# Altium PCB Brake Module R6.PcbDoc (part 2 of 2)
Units mm, origin at the board's own origin, x right, y up, seen from the top; angles counter-clockwise.
Board outline 73.35 x 121.64 mm, 4 copper layers (Top Layer, GND, PWR, Bottom Layer), stack 0.603 mm thick; 136 components, 96 nets, 515 pads, 328 vias.
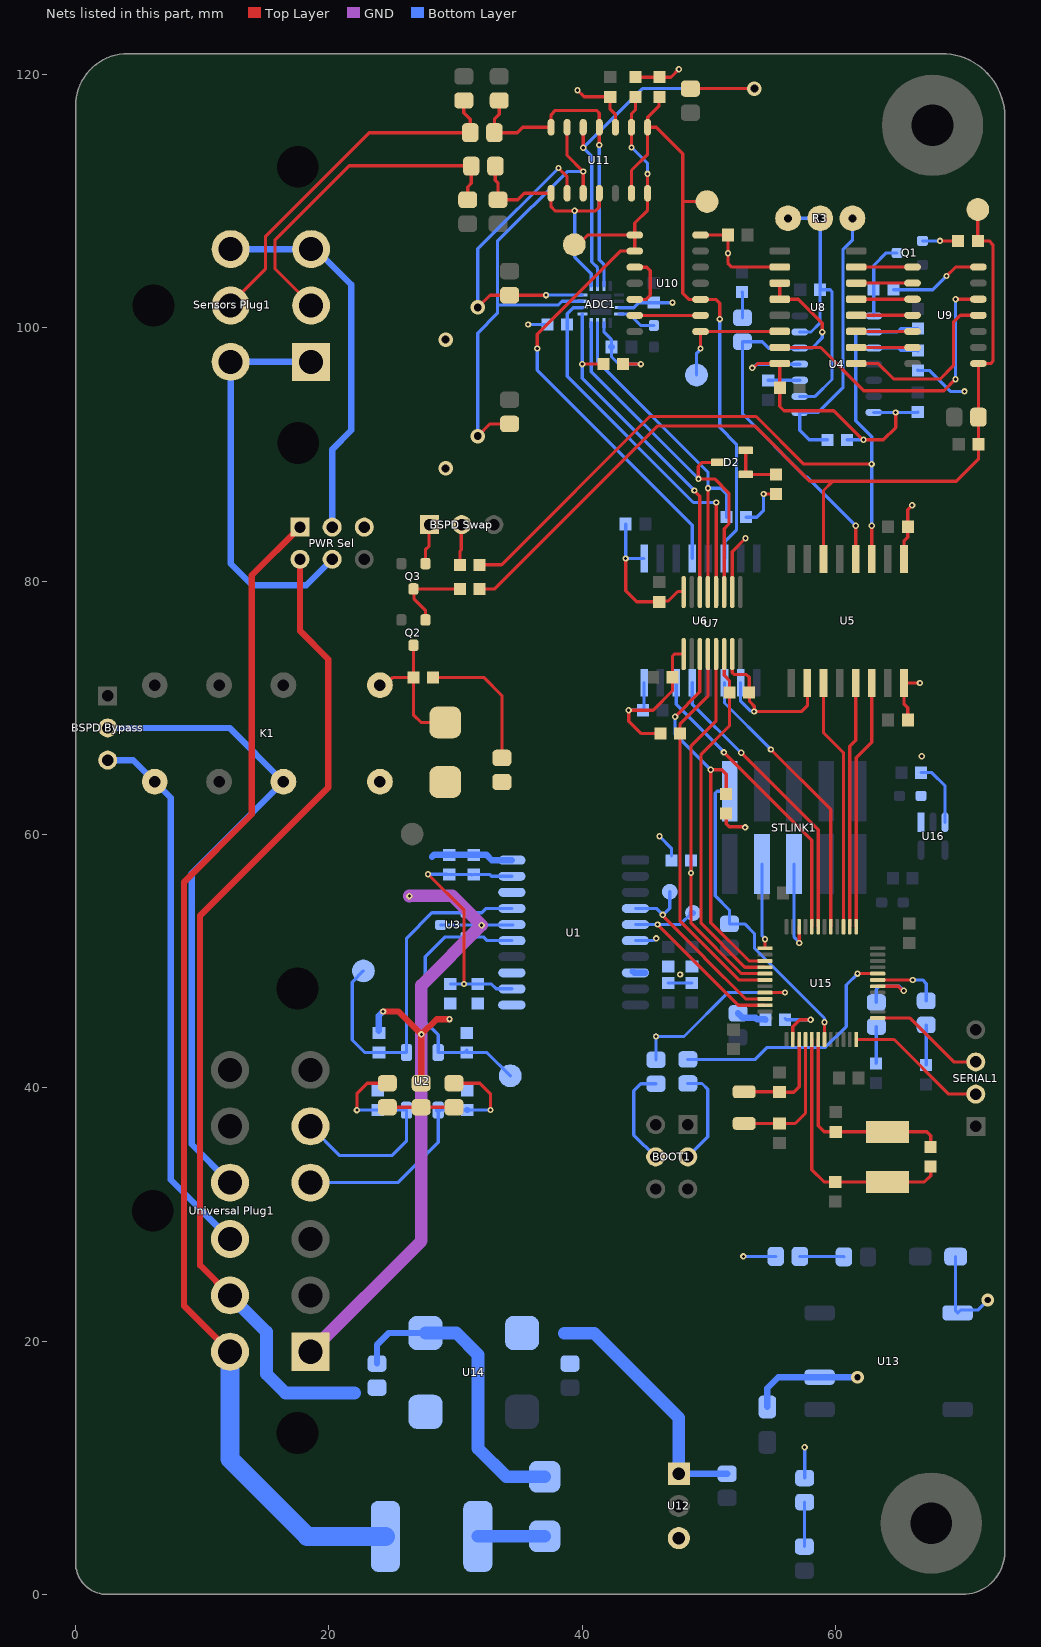
[diagram p4: the nets of this part, all layers, seen from the top]

## Via types
v1: diameter 0.5, hole 0.25, Top Layer to Bottom Layer, 318 vias
v2: diameter 1.155, hole 0.63, Top Layer to Bottom Layer, 8 vias
v3: diameter 1, hole 0.5, Top Layer to Bottom Layer, 2 vias

## Nets (pads, with @x,y where several pads share a name; then routed paths per layer and width w, separated by ;. In a path a pad name is that pad's centre, name@x,y a point inside that pad or via, vN(x,y) a via of type N, cw(c..) or ccw(c..) an arc to the next point about the centre after c; other vN are vias at no path point) (continued)
5V: "PWR Sel.5" ADC1.7 ADC1.10 C14.2 C17.2 C19.2 C22.2 C23.2 C24.2 C25.2 C33.2 C69.2 C90.2 D4.A D7.A D8.K K1.1 R2.2 R4.2 R5.2 R9.2 R10.2 R11.2 R12.2 R17.2 R18.2 U4.4 U4.14 U5.1 U6.1 U7.10 U7.16 U8.10 U8.16 U9.14 U10.14 U11.3 U12.3 U13.2 | length 104.9
  Top Layer w0.254: v1(39.624,118.745) 40.144,118.225 C24.2@42.2,118.225 42.2,117.25 42.616,116.834 U11.3@42.616,115.817 ; R11.2@43.225,97.125 v1(44.625,97.125) ; v1(43.425,81.775) 43.425,79.232 44.299,78.358 C22.2@46.075,78.358 ; R17.2@44.2,119.775 R18.2@46.1,119.775 47.004,119.775 v1(47.625,120.396) ; C22.2@46.102,78.384 46.148,78.43 46.807,78.43 47.549,79.172 47.957,79.172 47.996,79.133 U7.16@48.001,79.133 ; U10.14@49.34,107.315 C25.2@51.493,107.315 51.5,107.308 v1(51.5,105.875) 51.5,105.1 51.813,104.787 U8.10@55.595,104.787 ; U7.10@51.841,79.133 51.841,82.328 v1(52.885,83.372) ; v1(53.425,96.825) 53.492,96.825 53.833,97.167 U8.16@55.595,97.167 C23.2@55.595,95.25 55.595,93.78 55.928,93.447 59.839,93.447 62.135,91.15 v1(62.2,91.15) 63.775,91.15 64.74,92.115 v1(64.74,93.308) ; v1(54.316,86.865) R9.2@55.295,86.865 ; U5.1@65.395,81.75 65.395,83.145 65.7,83.45 C17.2@65.7,84.275 65.7,85.639 v1(66.04,85.979) ; v1(68.75,104.075) 69.462,104.787 U9.14@71.27,104.787
  Top Layer w0.5: C22.2@46.075,78.358 C22.2@46.102,78.384
  Bottom Layer w0.254: v1(35.725,100.25) R12.2@37.263,100.25 ; ADC1.10@41.707,100.381 41.707,99.668 42.3,99.075 42.3,98.5 42.3,97.725 42.9,97.125 v1(44.625,97.125) ; ADC1.7@42.907,101.581 44.069,101.581 44.463,101.975 C90.2@45.65,101.975 v1(47.125,101.975) ; C19.2@43.425,84.5 v1(43.425,81.775) U6.1@44.88,81.775 ; R10.2@52.934,85.039 53.772,85.039 54.316,85.584 v1(54.316,86.865) ; v1(53.425,96.825) 53.492,96.825 53.785,97.118 U4.4@57.174,97.118 ; D4.A@57.556,9.19 v1(57.556,11.62) ; R2.2@60.917,91.15 v1(62.2,91.15) ; U4.14@63.009,93.308 v1(64.74,93.308) 66.47,93.308 C14.2@66.492,93.33 ; R5.2@64.559,102.997 67.672,102.997 v1(68.75,104.075) ; R4.2@66.492,96.634 66.501,96.625 67.408,96.625 69.063,94.971 v1(70.18,94.971)
  Bottom Layer w0.5: C69.2@42.3,98.5 C69.2@42.325,98.475 ; C33.2@54.61,14.805 54.61,16.285 55.47,17.145 U13.2@58.735,17.145 v3(61.725,17.145)
  other v2: 29.21,88.9 29.21,99.06
"5V (ISO)": C1.2 C2.2 C7.2 C8.2 C18.2 C20.2 C21.2 C34.2 C38.2 C40.2 D5.A R13.2 R14.2 R15.2 R16.2 U1.6 U1.8 U5.10 U5.16 U6.10 U6.16 U7.1 U7.7 U13.5 U16.1 U16.3 | length 58.4
  Top Layer w0.254: R16.2@46.52,67.97 44.628,67.97 43.663,68.936 v1(43.663,69.8) 45.594,69.8 47.125,71.331 C21.2@47.125,72.4 47.125,74.084 47.274,74.233 U7.1@48.001,74.233 ; R15.2@51.359,61.633 51.359,60.833 51.591,60.601 52.81,60.601 v1(52.857,60.554) ; U7.7@51.841,74.233 51.841,72.773 51.99,72.624 52.953,72.624 53.175,72.402 R13.2@53.175,71.196 53.209,71.162 53.209,70.489 53.569,70.129 v1(53.569,69.698) 57.302,69.698 57.775,70.17 U5.10@57.775,71.95 ; C18.2@65.7,69.035 65.7,70 65.395,70.305 U5.16@65.395,71.95 v1(66.65,71.95)
  Bottom Layer w0.254: v1(43.663,69.8) C20.2@44.8,69.8 44.88,69.88 U6.16@44.88,71.975 ; U1.6@44.196,51.613 45.593,51.613 45.774,51.794 v1(45.841,51.794) ; v1(46.1,59.85) 47.034,58.916 R14.2@47.034,58.321 ; C8.2@46.787,48.269 C7.2@48.656,48.269 ; U6.10@52.5,71.975 52.5,70.512 53.268,69.745 53.522,69.745 v1(53.569,69.698) ; v1(52.721,26.686) D5.A@55.276,26.686 ; C38.2@66.741,64.879 67.582,64.879 68.641,63.82 U16.3@68.641,60.96 ; C34.2@69.475,26.67 69.475,22.385 U13.5@69.635,22.225 69.858,22.448 71.216,22.448 v3(72.009,23.241)
  Bottom Layer w0.5: U1.8@43.993,49.174 44.094,49.073 U1.8@44.196,49.073 U1.8@44.978,49.073
  other v1: 47.727,48.946 66.802,66.167
12V/24V: C31.2 C32.2 U12.1 U14.2 | length 20
  Bottom Layer w0.5: U12.1@47.625,9.525 C32.2@51.435,9.525
  Bottom Layer w1: 38.575,20.625 40.925,20.625 47.625,13.925 U12.1@47.625,9.525
BOOT0: BOOT1.4 R33.1 | length 7.9
  Bottom Layer w0.254: BOOT1.4@45.791,34.544 44.069,36.266 44.069,39.751 44.631,40.313 R33.1@45.821,40.313
BOOT1: BOOT1.3 R32.2 | length 7.8
  Bottom Layer w0.254: BOOT1.3@48.331,34.544 49.911,36.124 49.911,39.878 49.452,40.337 R32.2@48.331,40.337
"Brake Signal 1": ADC1.3 C35.2 R25.2 U11.4 U11.7 | length 26.2
  Top Layer w0.254: C35.2@33.446,117.934 33.446,116.846 33.062,116.462 R25.2@33.062,115.391 34.873,115.391 35.299,115.817 U11.7@37.536,115.817 37.536,116.811 37.875,117.15 41.125,117.15 41.346,116.929 U11.4@41.346,115.817 v1(41.346,114.421)
  Bottom Layer w0.254: v1(41.346,114.421) 41.346,105.354 41.707,104.993 ADC1.3@41.707,103.281
"Brake Signal 2": ADC1.1 C36.2 R27.2 U11.8 U11.11 | length 19.9
  Top Layer w0.254: R27.2@33.14,112.75 33.14,111.64 33.345,111.435 C36.2@33.345,110.099 34.915,110.099 35.433,110.617 U11.8@37.536,110.617 37.536,109.53 37.846,109.22 41.045,109.22 41.346,109.521 U11.11@41.346,110.617
  Bottom Layer w0.254: v1(39.4,109.225) 39.4,105.575 40.707,104.268 ADC1.1@40.707,103.281
"BSPD DELAY": R6.2 R38.1 U4.9 U5.3 | length 60.7
  Top Layer w0.254: R38.1@31.89,81.28 33.63,81.28 45.339,92.989 53.721,92.989 57.48,89.23 v1(62.84,89.23) ; U5.3@62.855,81.75 v1(62.855,84.365)
  Bottom Layer w0.254: v1(62.855,84.365) 62.855,91.395 61.595,92.655 61.595,99.509 61.744,99.658 U4.9@63.009,99.658 64.883,99.658 65.163,99.938 R6.2@66.492,99.938
"BSPD OK": "BSPD OK.1" C26.2 R8.1 R19.2 R37.1 U5.6 U9.8 | length 75.4
  Top Layer w0.254: R37.1@31.89,79.375 33.1,79.375 45.972,92.247 53.603,92.247 57.975,87.875 59.775,87.875 ; U5.6@59.045,81.75 59.045,87.145 59.775,87.875 ; 71.225,109.325 R8.1@71.225,106.85 72.125,106.85 72.42,106.555 72.42,97.345 72.242,97.167 U9.8@71.27,97.167 R19.2@71.27,92.938 C26.2@71.27,90.805 71.27,89.62 69.525,87.875 59.775,87.875
"CAN RX INDC": "CAN RX1.A" U15.19 | length 5.3
  Top Layer w0.254: U15.19@63.322,48.51 v1(66.085,48.51)
  Bottom Layer w0.254: v1(66.085,48.51) 66.865,48.51 67.153,48.222 67.153,46.857
"CAN TX INDC": "CAN TX1.A" U15.18 | length 5.7
  Top Layer w0.254: U15.18@63.322,48.01 64.953,48.01 65.313,47.65 v1(65.38,47.65)
  Bottom Layer w0.254: 63.216,46.73 63.216,47.766 63.46,48.01 65.02,48.01 v1(65.38,47.65)
CANH_P: "CAN TERM1.2" "Universal Plug1.5" C11.2 U2.2 | length 20.1
  Top Layer w0.254: v1(22.208,38.235) 22.208,39.53 23.032,40.355 24.612,40.355
  Bottom Layer w0.254: 18.546,36.959 20.859,34.646 24.968,34.646 26.129,35.806 U2.2@26.129,38.235 C11.2@23.851,38.235 v1(22.208,38.235)
  Bottom Layer w0.5: 18.546,36.301 18.546,36.959
CANL_N: "CAN TERM R1.1" "Universal Plug1.4" C10.2 U2.1 | length 22.6
  Top Layer w0.254: 29.871,40.355 31.908,40.355 32.761,39.502 v1(32.761,38.239)
  Bottom Layer w0.254: 18.546,32.509 25.448,32.509 28.629,35.69 U2.1@28.629,38.235 ; U2.1@28.631,38.237 C10.2@30.91,38.237 ; C10.2@30.912,38.239 v1(32.761,38.239)
  Bottom Layer w0.5: U2.1@28.629,38.235 U2.1@28.631,38.237 ; C10.2@30.91,38.237 C10.2@30.912,38.239
CANS: "Universal Plug1.1" C3.1 C4.1 C5.1 C6.1 C9.2 C10.1 C11.1 C12.1 C13.1 U1.11 U1.13 U1.16 U1.18 U1.20 U3.3 | length 70.2
  Top Layer w0.254: C9.2@27.286,40.355 C9.2@27.299,40.368
  Top Layer w0.5: v1(24.282,46.025) 25.484,46.025 v1(27.299,44.21) ; C9.2@27.299,40.368 v1(27.299,44.21) ; v1(29.515,45.415) 28.504,45.415 v1(27.299,44.21)
  GND w1: 18.546,19.159 27.3,27.913 27.3,48.077 v1(32.055,52.832) 29.743,55.143 26.368,55.143 v1(26.35,55.125)
  Bottom Layer w0.254: U3.3@28.829,52.857 28.838,52.849 U1.16@34.543,52.849
  Bottom Layer w0.5: C13.1@23.93,44.505 23.93,45.672 v1(24.282,46.025) ; 28.143,58.242 28.292,58.391 C3.1@29.494,58.391 ; C3.1@29.494,58.391 32.44,58.391 32.868,57.963 U1.20@34.443,57.963
CLOCK: D1.A U4.5 U5.4 U8.11 U8.12 | length 34.3
  Top Layer w0.254: U8.11@55.595,103.517 U8.12@55.595,102.247 57.053,102.247 58.95,100.35 v1(58.95,99.65) ; U5.4@61.585,81.75 v1(61.585,84.365)
  Bottom Layer w0.254: v1(58.95,99.65) 58.95,99.2 58.138,98.388 U4.5@57.174,98.388 57.143,98.419 57.1,98.375 54.725,98.375 54.212,98.888 D1.A@52.649,98.888 52.649,93.191 57.645,88.196 57.754,88.196 v1(61.585,84.365)
"CS (ADC)": ADC1.11 R10.1 U7.13 | length 28.3
  Top Layer w0.254: U7.13@49.921,79.133 49.923,79.135 49.923,87.323 v1(49.925,87.325)
  Bottom Layer w0.254: ADC1.11@41.207,100.381 41.207,97.318 49.925,88.6 v1(49.925,87.325) 50.925,87.325 51.384,86.866 R10.1@51.384,85.039
GLV+: "PWR Sel.1" "Universal Plug1.12" F1.1 | length 93.7
  Top Layer w0.5: 12.196,19.159 8.56,22.795 8.56,56.236 13.919,61.595 13.919,80.46 17.716,84.257
  Bottom Layer w1.5: 12.196,19.159 12.196,10.679 18.288,4.587 F1.1@24.455,4.587
GLV-: "PWR Sel.2" "Universal Plug1.11" C30.1 U14.4 | length 79.2
  Top Layer w0.5: 12.196,23.609 9.83,25.975 9.83,53.594 19.939,63.703 19.939,73.838 17.716,76.061 17.716,81.717
  Bottom Layer w1: 12.196,23.609 15.075,20.73 15.075,17.4 16.575,15.9 22.016,15.9
"Green Loop IN": "BSPD Bypass.3" "Universal Plug1.10" K1.8 | length 43
  Bottom Layer w0.5: 2.54,65.862 4.547,65.862 K1.8@6.248,64.16 7.525,62.884 7.525,32.73 12.196,28.059
"Green Loop OUT": "BSPD Bypass.2" "Universal Plug1.9" K1.4 | length 51.5
  Bottom Layer w0.5: 2.54,68.402 12.167,68.402 K1.4@16.408,64.16 9.175,56.927 9.175,35.53 12.196,32.509
"H REF 1": ADC1.2 C27.2 U11.5 | length 33.5
  Top Layer w0.254: v1@40.076,114.174 U11.5@40.076,115.817 ; C27.2@48.536,118.87 v2(53.59,118.87)
  Bottom Layer w0.254: ADC1.2@41.207,103.281 41.207,104.718 40.742,105.183 40.742,113.533 v1(40.075,114.2) 44.745,118.87 v2(53.59,118.87)
"H REF 2": ADC1.16 C28.2 U11.9 | length 24.6
  Top Layer w0.254: v2(31.75,101.6) 32.717,102.567 C28.2@34.264,102.567 v1(37.133,102.567) ; v1(38.125,112.6) 38.806,111.919 U11.9@38.806,110.617
  Bottom Layer w0.254: v2(31.75,101.6) 31.75,106.225 v1(38.125,112.6) ; v1(37.133,102.567) v1@37.2,102.567 ; v1@37.147,102.581 ADC1.16@40.007,102.581
  Bottom Layer w0.5: v1(37.133,102.567) v1@37.147,102.581
"High Pressure": "High P..1" R17.1 U6.4 U10.1 U10.2 U11.2 U11.14 | length 51.5
  Top Layer w0.254: v1(36.45,98.35) 36.45,99.493 43.002,106.045 U10.2@44.14,106.045 U10.1@44.14,107.315 ; 39.37,106.553 39.658,106.553 40.42,107.315 U10.1@44.14,107.315 ; v1(43.886,114.229) U11.2@43.886,115.817 43.886,116.886 44.2,117.2 R17.1@44.2,118.225 ; v1(45.156,112.141) U11.14@45.156,110.617 45.156,109.281 44.14,108.265 U10.1@44.14,107.315
  Bottom Layer w0.254: v1(36.45,98.35) 36.45,96.65 48.69,84.41 U6.4@48.69,81.775 ; v1(43.886,114.229) 45.156,112.959 v1(45.156,112.141)
"L REF": ADC1.15 C29.2 U11.6 U11.10 | length 40.5
  Top Layer w0.254: v2(31.75,91.44) 32.717,92.407 C29.2@34.264,92.407 ; U11.6@38.806,115.817 38.806,113.594 v1(40.076,112.324) U11.10@40.076,110.617
  Bottom Layer w0.254: v2(31.75,91.44) 31.75,99.575 33.299,101.124 33.299,101.79 ; ADC1.15@40.007,102.081 38.403,102.081 38.112,101.79 33.299,101.79 ; v1(40.076,112.324) 38.799,112.324 33.299,106.824 33.299,101.79
"Low Pressure": "Low P..1" R18.1 U6.6 U10.10 U11.1 U11.13 | length 49.4
  Top Layer w0.254: U11.13@43.886,110.617 43.886,112.411 45.156,113.681 U11.1@45.156,115.817 45.833,115.817 47.925,113.725 47.925,109.95 ; U11.1@45.169,115.83 45.169,116.611 46.068,117.51 46.068,118.193 R18.1@46.1,118.225 ; 49.85,109.95 47.925,109.95 ; v1(50.85,100.675) 50.85,101.925 50.54,102.235 U10.10@49.34,102.235 48.415,102.235 47.925,102.725 47.925,109.95
  Bottom Layer w0.254: v1(50.85,100.675) 50.85,92.127 52.172,90.805 52.172,84.023 51.256,83.107 51.256,81.801 U6.6@51.23,81.775
"MISO (ADC)": ADC1.12 D2.3 U7.11 | length 29.4
  Top Layer w0.254: D2.3@50.731,89.365 49.462,89.365 49.149,89.052 49.149,88.087 v1(49.174,88.062) 50.444,88.062 51.575,86.931 51.575,84.5 51.201,84.126 U7.11@51.201,79.133
  Bottom Layer w0.254: ADC1.12@40.707,100.381 40.707,96.529 v1(49.174,88.062)
"MOSI (ADC)": ADC1.14 R12.1 U7.12 | length 29.3
  Top Layer w0.254: U7.12@50.561,79.133 50.575,79.146 v1(50.575,86.2)
  Bottom Layer w0.254: ADC1.14@40.007,101.581 39.281,101.581 38.813,101.113 R12.1@38.813,100.25 38.813,96.162 48.775,86.2 v1(50.575,86.2) ; v1@50.468,86.153 v1@50.496,86.125
NetADC1_8: ADC1.8 C91.2 | length 3.1
  Bottom Layer w0.254: ADC1.8@42.907,101.081 43.719,101.081 44.625,100.175 C91.2@45.65,100.175
"NetBSPD Swap_1": "BSPD Swap.1" Q3.G | length 3.2
  Top Layer w0.254: Q3.G@27.62,81.375 27.62,82.47 27.9,82.75 27.9,84.415 27.94,84.455
"NetBSPD Swap_2": "BSPD Swap.2" R38.2 | length 3.2
  Top Layer w0.254: R38.2@30.34,81.28 30.34,82.34 30.45,82.45 30.45,84.425 30.48,84.455
NetC3_2: C3.2 C4.2 C5.2 C6.2 U1.12 U1.19 | length 21.4
  Top Layer w0.254: v1(27.825,56.85) 30.669,54.006 v1(30.669,48.188)
  Bottom Layer w0.254: v1(27.825,56.85) 29.3,56.85 C3.2@29.325,56.825 ; C3.2@29.3,56.824 31.263,56.824 C4.2@31.276,56.811 ; C5.2@29.589,48.188 v1(30.669,48.188) C6.2@31.748,48.188 32.818,48.188 33.194,47.812 34.434,47.812 U1.12@34.443,47.803 ; C4.2@31.432,56.84 32.685,56.84 32.832,56.693 U1.19@34.443,56.693
NetC9_1: "CAN TERM1.1" "CAN TERM R1.2" C9.1 | length 5.3
  Top Layer w0.254: 24.619,38.455 C9.1@27.286,38.455 27.298,38.467 29.866,38.467 29.878,38.479
NetC12_2: C12.2 CANL1.1 U1.15 U2.4 U3.1 | length 22.1
  Bottom Layer w0.254: C12.2@30.886,42.785 32.475,42.785 CANL1.1@34.315,40.945 ; C12.2@30.886,42.964 30.708,42.785 U2.4@28.629,42.785 28.629,44.167 27.61,45.187 27.61,50.343 29.174,51.907 U3.1@30.829,51.907 32.192,51.907 32.487,51.613 U1.15@34.443,51.613
NetC13_2: C13.2 CANH1.1 U1.17 U2.3 U3.2 | length 28.8
  Bottom Layer w0.254: CANH1.1@22.725,49.225 21.84,48.34 21.84,43.768 22.823,42.785 C13.2@23.952,42.785 U2.3@26.129,42.785 26.129,51.808 28.128,53.807 U3.2@30.829,53.807 32.065,53.807 32.41,54.153 U1.17@34.443,54.153
NetC16_2: C16.2 U4.3 | length 2.5
  Bottom Layer w0.254: C16.2@54.681,95.848 U4.3@57.174,95.848
NetC30_2: C30.2 D3.K U14.1 | length 24.1
  Bottom Layer w0.5: C30.2@23.794,18.225 23.794,19.719 24.714,20.639 U14.1@27.63,20.639
  Bottom Layer w1: U14.1@27.63,20.639 30.061,20.639 31.775,18.925 31.775,11.525 34.009,9.291 D3.K@37.028,9.291
"NetCAN RX1_K": "CAN RX1.K" R31.1 | length 3.2
  Bottom Layer w0.254: R31.1@67.127,41.796 67.153,41.822 67.153,44.957
"NetCAN TX1_K": "CAN TX1.K" R30.1 | length 2.9
  Bottom Layer w0.254: R30.1@63.19,41.923 63.216,41.949 63.216,44.83
NetD1_K: D1.K R7.2 | length 2
  Bottom Layer w0.254: R7.2@52.625,102.8 52.649,102.776 D1.K@52.649,100.788
NetD2_1: D2.1 D2.2 R9.1 | length 4.3
  Top Layer w0.254: D2.2@52.901,90.315 D2.1@52.901,88.415 R9.1@55.295,88.415
NetD3_A: D3.A F1.2 | length 5.3
  Bottom Layer w0.254: F1.2@31.755,4.587 F1.2@31.759,4.591
  Bottom Layer w1: F1.2@31.759,4.591 D3.A@37.028,4.591
NetD4_K: D4.K R23.2 | length 3.5
  Bottom Layer w0.254: R23.2@57.543,3.796 D4.K@57.543,7.277
NetD5_K: D5.K R24.2 | length 3.5
  Bottom Layer w0.254: D5.K@57.176,26.686 57.192,26.67 60.641,26.67 R24.2@60.657,26.654
NetD6_K: D6.K R29.1 | length 2.4
  Bottom Layer w0.5: D6.K@52.298,45.871 52.651,45.517 53.696,45.517 53.797,45.415 54.422,45.415 R29.1@54.47,45.367
NetD7_K: D7.K R36.2 | length 11
  Top Layer w0.254: R36.2@28.22,72.39 32.233,72.39 33.656,70.967 D7.K@33.656,66.035
NetD8_A: D8.A K1.16 Q2.D R36.1 | length 11.1
  Top Layer w0.254: K1.16@24.443,71.78 25.053,72.39 R36.1@26.67,72.39 ; Q2.D@26.67,74.93 R36.1@26.67,72.39 ; D8.A@29.185,68.835 27.279,68.835 26.67,69.444 R36.1@26.67,72.39
  Top Layer w0.5: K1.16@24.028,71.78 K1.16@24.443,71.78
NetQ1_D: Q1.D R5.1 U4.8 | length 6.2
  Bottom Layer w0.254: U4.8@63.009,100.928 R5.1@63.009,102.997 63.009,104.909 64.003,105.903 Q1.D@64.857,105.903
NetQ1_G: Q1.G R8.2 | length 2.8
  Top Layer w0.254: v1(68.247,106.853) 69.672,106.853 R8.2@69.675,106.85
  Bottom Layer w0.254: Q1.G@66.857,106.853 v1(68.247,106.853)
NetQ2_G: Q2.G Q3.D R37.2 | length 6.5
  Top Layer w0.254: Q2.G@27.62,76.93 27.62,77.705 26.707,78.618 26.707,79.338 Q3.D@26.67,79.375 R37.2@30.34,79.375
NetR2_1: R2.1 R3.3 U4.1 | length 21.8
  Bottom Layer w0.254: R2.1@59.367,91.15 57.925,91.15 57.174,91.901 U4.1@57.174,93.308 58.633,93.308 60.579,95.254 60.579,106.147 61.329,106.896 R3.3@61.329,108.634
NetR4_1: R4.1 U4.10 | length 3.6
  Bottom Layer w0.254: U4.10@63.009,98.388 64.962,98.388 65.15,98.2 66.476,98.2 R4.1@66.492,98.184
NetR13_1: R13.1 U7.6 U15.40 | length 28.8
  Top Layer w0.254: U7.6@51.201,74.233 51.201,72.548 51.625,72.124 R13.1@51.625,71.196 51.625,68.567 49.378,66.319 49.378,52.973 52.84,49.51 U15.40@54.422,49.51
NetR14_1: R14.1 U7.5 U15.41 | length 30.5
  Top Layer w0.254: U7.5@50.561,74.233 50.561,68.961 48.59,66.99 v1(48.59,56.947) 48.59,52.992 52.572,49.01 U15.41@54.422,49.01
  Bottom Layer w0.254: v1(48.59,56.947) R14.1@48.59,57.937
NetR15_1: R15.1 U7.3 U15.39 | length 31.6
  Top Layer w0.254: v1(47.329,69.291) 49.281,71.243 U7.3@49.281,74.233 ; R15.1@51.359,63.183 51.359,64.745 51.003,65.1 v1(50.14,65.1) 50.14,53.031 53.161,50.01 U15.39@54.422,50.01
  Bottom Layer w0.254: v1(47.329,69.291) 47.329,67.911 v1(50.14,65.1)
NetR16_1: R16.1 U7.4 U15.42 | length 30.6
  Top Layer w0.254: U7.4@49.921,74.233 49.921,70.921 47.725,68.725 47.725,53.138 52.353,48.51 U15.42@54.422,48.51
NetR32_1: R32.1 U15.20 | length 19.7
  Top Layer w0.254: v1(61.734,49.01) U15.20@63.322,49.01
  Bottom Layer w0.254: R32.1@48.331,42.237 53.667,42.237 54.61,43.18 59.182,43.18 60.833,44.831 60.833,48.109 v1(61.734,49.01)
NetR33_2: R33.2 U15.44 | length 15
  Top Layer w0.254: U15.44@54.422,47.51 54.429,47.517 56,47.517 v1(56.007,47.523)
  Bottom Layer w0.254: R33.2@45.821,42.213 v1(45.821,44.043) ; v1(45.821,44.043) 48.031,44.044 51.511,47.523 v1(56.007,47.523)
NetSR_IN_1: SR_IN.1 U8.14 U10.8 | length 9.8
  Top Layer w0.254: v1(49.34,98.361) U10.8@49.34,99.695 49.346,99.701 55.589,99.701 U8.14@55.595,99.707
  Bottom Layer w0.254: SR_IN.1@49.022,96.266 49.022,97.976 49.34,98.294 v1(49.34,98.361)
NetU1_4: pad.2@46.914,55.474 U1.4 U15.45 | length 15.3
  Top Layer w0.254: v1(46.355,53.645) 46.355,53.586 49.645,50.296 49.645,50.253 52.888,47.01 U15.45@54.422,47.01
  Bottom Layer w0.254: U1.4@44.196,54.153 45.847,54.153 v1(46.355,53.645) 46.401,53.645 46.914,54.158 pad.2@46.914,55.474
NetU1_5: pad.2@48.743,53.797 U1.5 U15.46 | length 16
  Top Layer w0.254: v1(45.949,52.883) 52.321,46.51 U15.46@54.422,46.51
  Bottom Layer w0.254: U1.5@44.196,52.883 v1(45.949,52.883) 47.712,52.883 pad.2@48.627,53.797
  Bottom Layer w0.5: pad.2@48.627,53.797 pad.2@48.743,53.797
NetU5_11: U5.11 U15.27 | length 19.9
  Top Layer w0.254: U5.11@59.045,71.95 59.045,68.03 60.622,66.453 U15.27@60.622,52.71
NetU5_13: U5.13 U15.26 | length 19.4
  Top Layer w0.254: U15.26@61.122,52.71 61.122,66.972 61.585,67.435 U5.13@61.585,71.95
NetU5_14: U5.14 U15.25 | length 19.8
  Top Layer w0.254: U15.25@61.622,52.71 61.622,66.047 62.855,67.28 U5.14@62.855,71.95
NetU6_11: U6.11 U15.29 | length 22.7
  Top Layer w0.254: v1(54.889,66.7) 59.622,61.968 U15.29@59.622,52.71
  Bottom Layer w0.254: U6.11@51.23,71.975 51.23,70.37 54.889,66.711 v1(54.889,66.7)
NetU6_13: U6.13 U15.31 | length 23.4
  Top Layer w0.254: v1(52.553,66.446) 58.622,60.377 U15.31@58.622,52.71
  Bottom Layer w0.254: U6.13@48.69,71.975 48.69,70.285 52.529,66.446 v1(52.553,66.446)
NetU6_14: U6.14 U15.32 | length 23.7
  Top Layer w0.254: v1(51.181,66.472) 54.51,63.143 58.122,59.531 U15.32@58.122,52.71
  Bottom Layer w0.254: U6.14@47.42,71.975 47.42,70.28 51.181,66.519 v1(51.181,66.472)
NetU8_1: U8.1 U9.11 | length 14.2
  Top Layer w0.254: U8.1@61.625,97.167 63.358,97.167 64.575,95.95 68.264,95.95 69.3,96.986 69.3,100.425 69.852,100.977 U9.11@71.27,100.977
NetU8_2: U8.2 U9.6 | length 4.4
  Top Layer w0.254: U8.2@61.625,98.437 U9.6@66.07,98.437
NetU8_3: U8.3 U9.5 | length 4.4
  Top Layer w0.254: U8.3@61.625,99.707 U9.5@66.07,99.707
NetU8_4: U8.4 U9.4 | length 4.4
  Top Layer w0.254: U8.4@61.625,100.977 U9.4@66.07,100.977
NetU8_5: U8.5 U9.3 | length 4.4
  Top Layer w0.254: U8.5@61.625,102.247 U9.3@66.07,102.247
NetU8_6: U8.6 U9.2 | length 4.4
  Top Layer w0.254: U8.6@61.625,103.517 U9.2@66.07,103.517
NetU8_7: U8.7 U9.1 | length 4.4
  Top Layer w0.254: U8.7@61.625,104.787 U9.1@66.07,104.787
NetU8_15: U8.15 U9.12 | length 23.8
  Top Layer w0.254: U8.15@55.595,98.437 58.811,98.437 62.223,95.025 68.558,95.025 v1(69.459,95.926) ; v1(69.475,102.25) 69.477,102.248 U9.12@71.27,102.247 U9.12@71.27,102.247
  Bottom Layer w0.254: v1(69.459,95.926) 69.459,102.234 v1(69.475,102.25)
NetU10_3: U10.3 U10.5 | length 4.6
  Top Layer w0.254: U10.5@44.14,102.235 45.035,102.235 45.375,102.575 45.375,104.5 45.1,104.775 U10.3@44.14,104.775
NetU10_6: U10.6 U10.9 | length 5.2
  Top Layer w0.254: U10.6@44.14,100.965 U10.9@49.34,100.965
NRST: R34.1 STLINK1.1 U15.7 | length 24.9
  Top Layer w0.254: U15.7@59.122,43.81 59.123,43.811 59.123,45.173 v1(59.125,45.175)
  Bottom Layer w0.254: STLINK1.1@51.645,63.4 50.639,63.4 50.49,63.251 50.49,55.16 51.626,54.024 R34.1@51.626,52.937 52.813,52.937 53.6,52.15 53.6,51 59.125,45.475 v1(59.125,45.175)
PC13: R29.2 U15.2 | length 4.7
  Top Layer w0.254: U15.2@56.622,43.81 56.622,44.811 57.178,45.367 v1(58.027,45.367)
  Bottom Layer w0.254: R29.2@56.02,45.466 56.119,45.367 v1(58.027,45.367)
"SCLCK (ADC)": ADC1.13 R11.1 U7.14 | length 27.5
  Top Layer w0.254: v1(40,97.125) R11.1@41.675,97.125 ; v1(48.85,87.15) 48.85,87.114 49.278,86.686 49.278,79.136 U7.14@49.281,79.133
  Bottom Layer w0.254: ADC1.13@40.007,101.081 40.007,97.125 40,97.118 40,96 v1(48.85,87.15)
"Sensor 1 IN": "Sensors Plug1.5" R25.1 R26.2 | length 28.8
  Top Layer w0.254: 12.196,101.833 14.986,104.623 14.986,107.188 23.189,115.391 R25.1@31.162,115.391 31.162,116.463 30.652,116.973 R26.2@30.652,117.934
"Sensor 2 IN": "Sensors Plug1.2" R27.1 R28.2 | length 26.9
  Top Layer w0.254: 18.546,101.833 15.748,104.631 15.748,106.934 21.59,112.776 31.214,112.776 R27.1@31.24,112.75 31.24,111.39 30.958,111.108 R28.2@30.958,110.099
"Sensor Gnd": "PWR Sel.4" "Sensors Plug1.1" "Sensors Plug1.6" | length 31.8
  Bottom Layer w0.5: 18.597,97.302 12.247,97.302 12.247,81.378 13.945,79.68 18.219,79.68 20.256,81.717
"Sensor Pwr": "PWR Sel.3" "Sensors Plug1.3" "Sensors Plug1.4" | length 30.5
  Bottom Layer w0.254: 18.597,106.202 18.969,106.202
  Bottom Layer w0.5: 12.247,106.202 18.597,106.202 ; 18.969,106.202 21.768,103.403 21.768,91.897 20.256,90.385 20.256,84.257
SWCLK: STLINK1.7 U15.37 | length 6.7
  Top Layer w0.254: U15.37@54.422,51.01 54.425,51.013 v1(54.425,51.725)
  Bottom Layer w0.254: STLINK1.7@54.185,57.65 54.185,52.032 54.425,51.792 v1(54.425,51.725)
SWDIO: STLINK1.8 U15.34 | length 7.7
  Top Layer w0.254: U15.34@57.122,52.71 57.124,52.709 57.124,51.426 v1(57.125,51.425)
  Bottom Layer w0.254: STLINK1.8@56.725,57.65 56.725,51.892 57.125,51.492 v1(57.125,51.425)
Trig/Thres: C15.2 R3.1 R3.2 U4.2 U4.6 | length 23.7
  Bottom Layer w0.254: R3.1@56.249,108.634 R3.2@58.789,108.634 C15.2@58.789,103.028 ; U4.2@57.174,94.578 58.383,94.578 59.715,95.91 59.715,102.848 59.567,102.997 58.82,102.997 C15.2@58.789,103.028 ; U4.6@57.174,99.658 58.058,99.658 58.758,100.358 C15.2@58.758,102.997 C15.2@58.789,103.028
UARTRX: SERIAL1.3 U15.13 | length 9.2
  Top Layer w0.254: U15.13@63.322,45.51 65.84,45.51 69.313,42.037 SERIAL1.3@71.064,42.037
UARTTX: SERIAL1.2 U15.12 | length 11.2
  Top Layer w0.254: U15.12@61.622,43.81 64.615,43.81 68.928,39.497 SERIAL1.2@71.064,39.497
XTALA: C47.2 R35.1 U15.5 X1.1 | length 21
  Top Layer w0.254: U15.5@58.122,43.81 58.122,33.528 59.081,32.569 C47.2@59.963,32.569 X1.1@64.101,32.569 67.019,32.569 67.508,33.058 R35.1@67.508,33.769
XTALB: C48.2 R35.2 U15.6 X1.2 | length 16.9
  Top Layer w0.254: U15.6@58.622,43.81 58.622,37.003 59.106,36.519 C48.2@60.015,36.519 X1.2@64.101,36.519 67.206,36.519 67.508,36.217 R35.2@67.508,35.319
XTALC: C41.2 U15.3 X2.1 | length 8.3
  Top Layer w0.254: X2.1@52.776,39.677 55.548,39.677 C41.2@55.575,39.65 56.7,39.65 57.122,40.072 U15.3@57.122,43.81
XTALD: C42.2 U15.4 X2.2 | length 11
  Top Layer w0.254: X2.2@52.776,37.177 55.573,37.177 C42.2@55.575,37.175 56.8,37.175 57.622,37.997 U15.4@57.622,43.81 ; C42.2@55.55,37.175 C42.2@55.556,37.169
pads on no net: "BSPD Bypass.1" "BSPD Swap.3" "Sensors Plug1.0" "Universal Plug1.0" "Universal Plug1.2" "Universal Plug1.3" "Universal Plug1.6" "Universal Plug1.7" ADC1.4 ADC1.5 ADC1.6 ADC1.17 K1.6 K1.9 K1.11 K1.13 STLINK1.2 STLINK1.3 STLINK1.5 STLINK1.10 U1.2 U1.14 U4.11 U4.13 U5.5 U5.7 U5.12 U6.5 U6.7 U6.12 U8.9 U9.9 U9.10 U9.13 U10.11 U10.12 U10.13 U13.8 U15.10 U15.11 U15.14 U15.15 U15.16 U15.17 U15.21 U15.22 U15.28 U15.30 U15.33 U15.38 U15.43 U16.4

## Polygon pours and split planes (outlines as drawn)
0V on Top Layer "0V_TOP" (solid, pour order 2): 2.75,0.125 0.125,2.75 0.125,117.35 4.3,121.525 68.35,121.525 73.225,116.65 73.225,80.125 55.8,80.125 53.323,77.648 43.073,77.648 36.325,70.9 36.325,27.75 46,18.075 73.225,18.075 73.225,3.8 69.55,0.125
"0V (ISO)" on Top Layer "0VISO_TOP" (solid, pour order 13): 53.432,75.768 55.55,73.65 73.225,73.65 73.225,21.35 47.975,21.35 42.475,26.85 42.475,72.95 45.293,75.768
"3.3V (ISO)" on Top Layer "5V_TOP_1" (solid, pour order 9): 51.45,43.55 51.4,43.5 51.4,42.55 51.45,42.5 52.5,42.5 53.225,43.225 55.35,43.225 55.5,43.375 55.5,44.825 55.25,45.075 53.65,45.075 53.575,45 53.575,44.725 52.4,43.55
5V on Top Layer "5V_TOP_2" (solid, pour order 3): 50.925,106.625 50.925,105.7 51.3,105.325 51.825,105.325 52.1,105.6 52.1,107.8 51.95,107.95 50.2,107.95 49.85,107.6 48.825,107.6 48.65,107.425 48.65,107.175 48.8,107.025 50.525,107.025
5V on Top Layer "5V TOP 3" (solid, pour order 0): 22.3,63.968 22.3,64.539 23.186,65.425 31.615,65.425 32.265,64.775 34.265,64.775 34.44,64.6 34.44,63.625 34.29,63.475 32.09,63.475 31.465,62.85 26.74,62.85 26.638,62.952 23.079,62.952
0V on Bottom Layer "0V_BOT" (solid, pour order 26): 2.75,0.125 0.125,2.75 0.125,117.35 4.3,121.525 68.35,121.525 73.225,116.65 73.225,80.125 55.8,80.125 53.323,77.648 43.073,77.648 36.325,70.9 36.325,27.75 46,18.075 73.225,18.075 73.225,3.8 69.55,0.125
CANS on Bottom Layer "CAN_S" (solid, pour order 19): 35.925,58.875 35.925,46.125 31.625,41.825 31.625,37.7 30.325,36.4 23.075,36.4 22.7,36.775 22.7,45.95 24.689,47.939 24.689,55.664 27.9,58.875 28.425,58.875
"0V (ISO)" on Bottom Layer "0VISO_BOT" (solid, pour order 22): 54.075,75.125 55.55,73.65 73.225,73.65 73.225,21.35 47.975,21.35 42.475,26.85 42.475,72.95 44.65,75.125 44.875,75.125
0V on Bottom Layer "0V_TOP_1" (solid, pour order 1): 40.267,101.081 40.536,101.35 40.975,101.35 40.975,101 40.707,100.732 40.707,100.641 40.267,100.641
"5V (ISO)" on Bottom Layer "5V_TOP_1" (solid, pour order 7): 46.228,49.454 46.228,50.013 46.279,50.063 49.2,50.063 49.301,49.962 49.301,47.828 49.225,47.752 46.304,47.752 46.228,47.828 46.228,48.311 45.822,48.717 43.307,48.717 43.18,48.844 43.18,49.352 43.282,49.454
NetD6_K on Bottom Layer "led polygon" (solid, pour order 23): 54.94,44.882 53.823,44.882 53.492,45.212 51.587,45.212 51.486,45.314 51.486,46.457 51.562,46.533 52.959,46.533 53.619,45.872 54.94,45.872 54.966,45.847 54.966,44.907
"5V (ISO)" on Bottom Layer "5V_BOT_1" (solid, pour order 8): 66.164,66.484 66.164,60.201 66.436,59.929 67.024,59.929 67.183,60.088 67.183,62.379 67.318,62.515 67.31,62.523 67.31,66.484 67.183,66.675 66.294,66.675
"3.3V (ISO)" on Bottom Layer "3.3V_1" (solid, pour order 20): 64.85,55.25 65.525,55.925 65.525,58.5 66.575,59.55 66.975,59.55 67.1,59.425 67.1,55.5 65.8,54.2 65,54.2 64.85,54.35
12V/24V on Bottom Layer "12V/24V" (solid, pour order 14): 39.575,17.55 37.825,17.55 36.125,19.25 34.15,19.25 33.875,19.525 33.875,21.725 34.175,22.025 38.7,22.025 39.8,20.925 39.8,17.775
GLV- on Bottom Layer "GLV-" (solid, pour order 10): 21.6,15.15 21.6,16.725 21.875,17 28.775,17 28.925,16.85 28.925,13.15 28.775,13 26.075,13 24.15,14.925 21.825,14.925
5V on PWR "5V" (solid, pour order 25): 2.75,0.125 0.125,2.75 0.125,117.35 4.3,121.525 68.35,121.525 73.225,116.65 73.225,80.125 55.8,80.125 53.323,77.648 43.073,77.648 36.325,70.9 36.325,27.75 46,18.075 73.225,18.075 73.225,3.8 69.55,0.125
"5V (ISO)" on PWR "5VISO" (solid, pour order 17): 54.075,75.125 55.55,73.65 73.225,73.65 73.225,21.35 47.975,21.35 42.475,26.85 42.475,72.95 44.65,75.125 44.875,75.125
"3.3V (ISO)" on PWR "3V3 (iso)" (solid, pour order 11): 73.152,58.42 55.524,58.42 50.784,53.679 50.8,53.663 50.8,44.196 44.988,38.384 44.988,36.468 45.387,36.068 73.152,36.068
0V on GND "0V" (solid, pour order 24): 2.75,0.125 0.125,2.75 0.125,117.35 4.3,121.525 68.35,121.525 73.225,116.65 73.225,80.125 55.8,80.125 53.323,77.648 43.073,77.648 36.325,70.9 36.325,27.75 46,18.075 73.225,18.075 73.225,3.8 69.55,0.125
"0V (ISO)" on GND "0VISO" (solid, pour order 16): 54.075,75.125 55.55,73.65 73.225,73.65 73.225,21.35 47.975,21.35 42.475,26.85 42.475,72.95 44.65,75.125 44.875,75.125

## Keep-outs
Top Layer:
  region: 59.207,31.902 57.75,33.36 57.75,34.685 57.685,34.75 57.588,34.75 57.119,34.078 57.339,33.886 57.35,33.875 57.35,33.225 57.975,32.6 57.95,32.575 57.95,29.875 58.4,29.425 67.025,29.425 69.675,32.075 69.675,36.625 67.375,38.925 61.85,38.925 61.077,39.698 61.077,40.013 60.95,40.013 60.95,39.125 61.518,38.557 66.993,38.557 69.175,36.375 69.175,32.55 66.675,30.05 59.2,30.05
  region: 57.125,39.395 57.234,39.395 57.234,38.158 57.023,37.948 51.651,37.948 51.651,38.862 56.591,38.862
  region: 54.3,42.737 54.3,41.862 53.7,41.262 51.225,41.262 50.65,40.687 50.65,36.262 52.637,34.275 56.25,34.275 56.85,34.875 56.85,36.737 57.75,36.737 57.75,35.25 56.625,34.125 52.362,34.125 50.35,36.137 50.35,40.862 51.1,41.612 53.65,41.612 54.025,41.987 54.025,42.737
  region: 66.779,35.357 59.715,35.357 58.674,36.398 58.525,36.398 58.525,33.689 66.779,33.689

## Silkscreen, mask and mechanical layers (free items; w line width, h text height)
Mechanical 1:
  the board outline again, w0.254